# KiCad board frontpanel_dev_adapter.kicad_pcb
title: FFC adapter board; date: 2020-12-16; rev: r0.1; company: MaJo
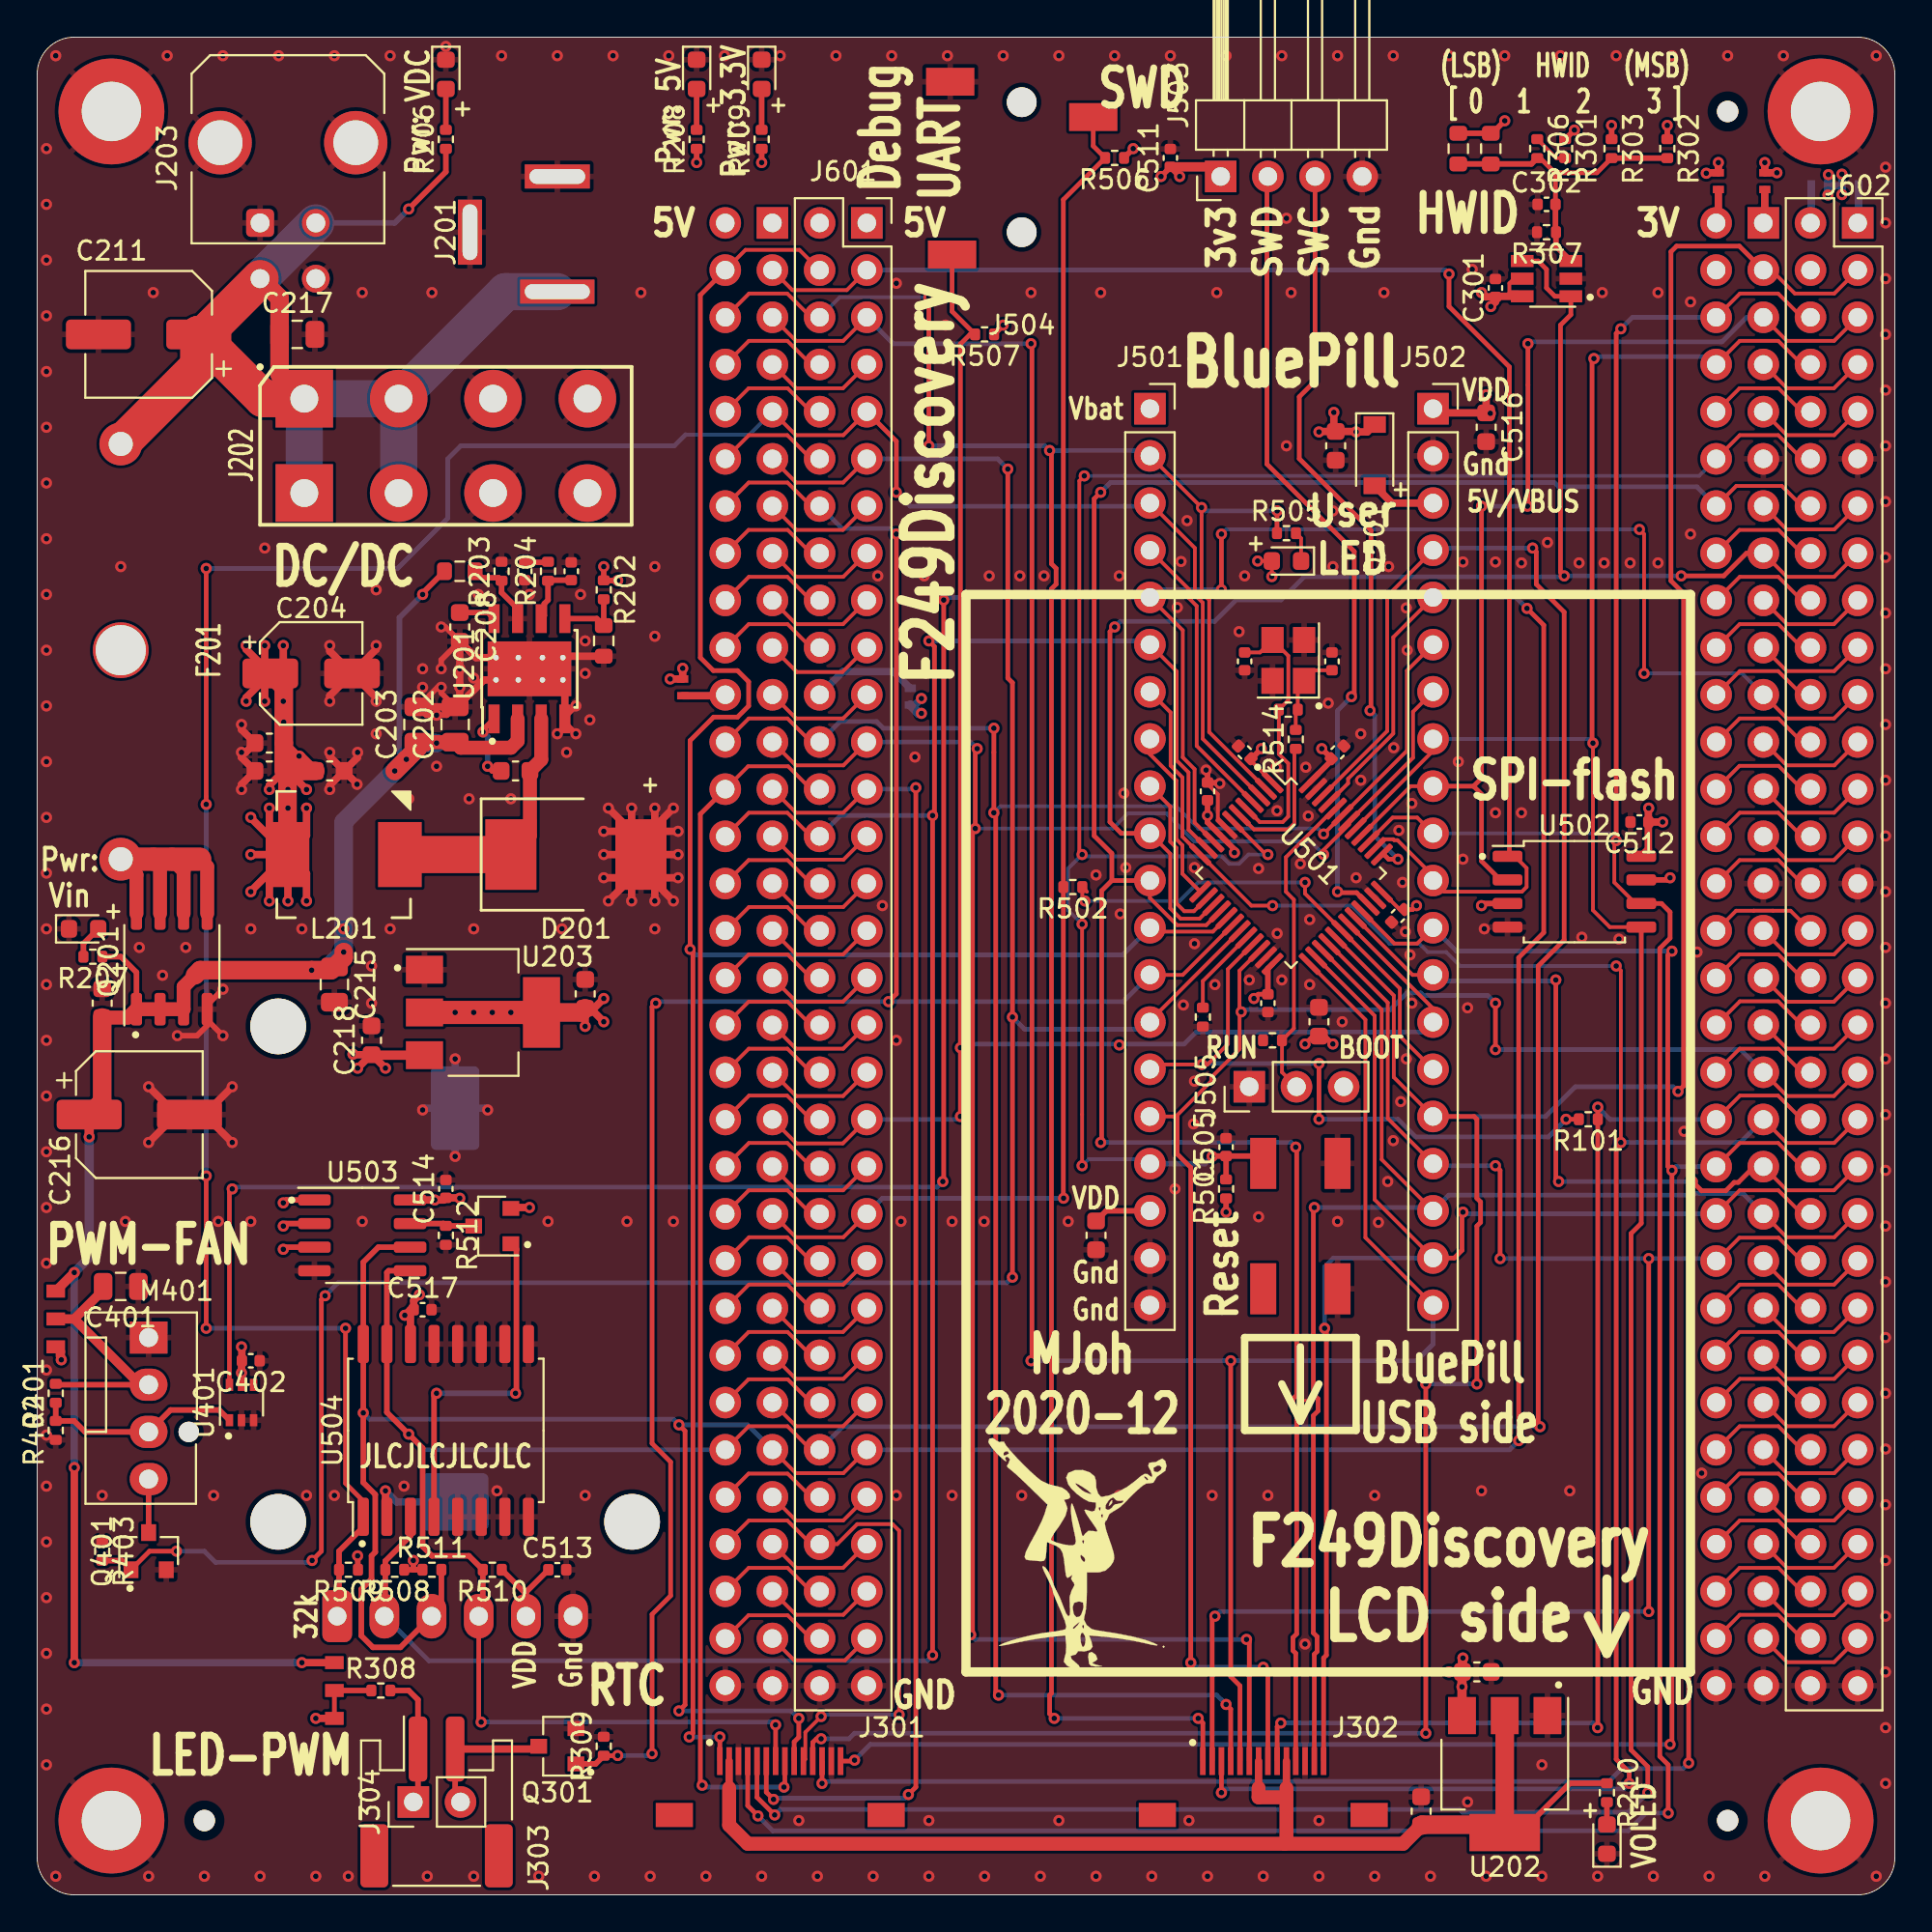
[diagram p0: board, top side]
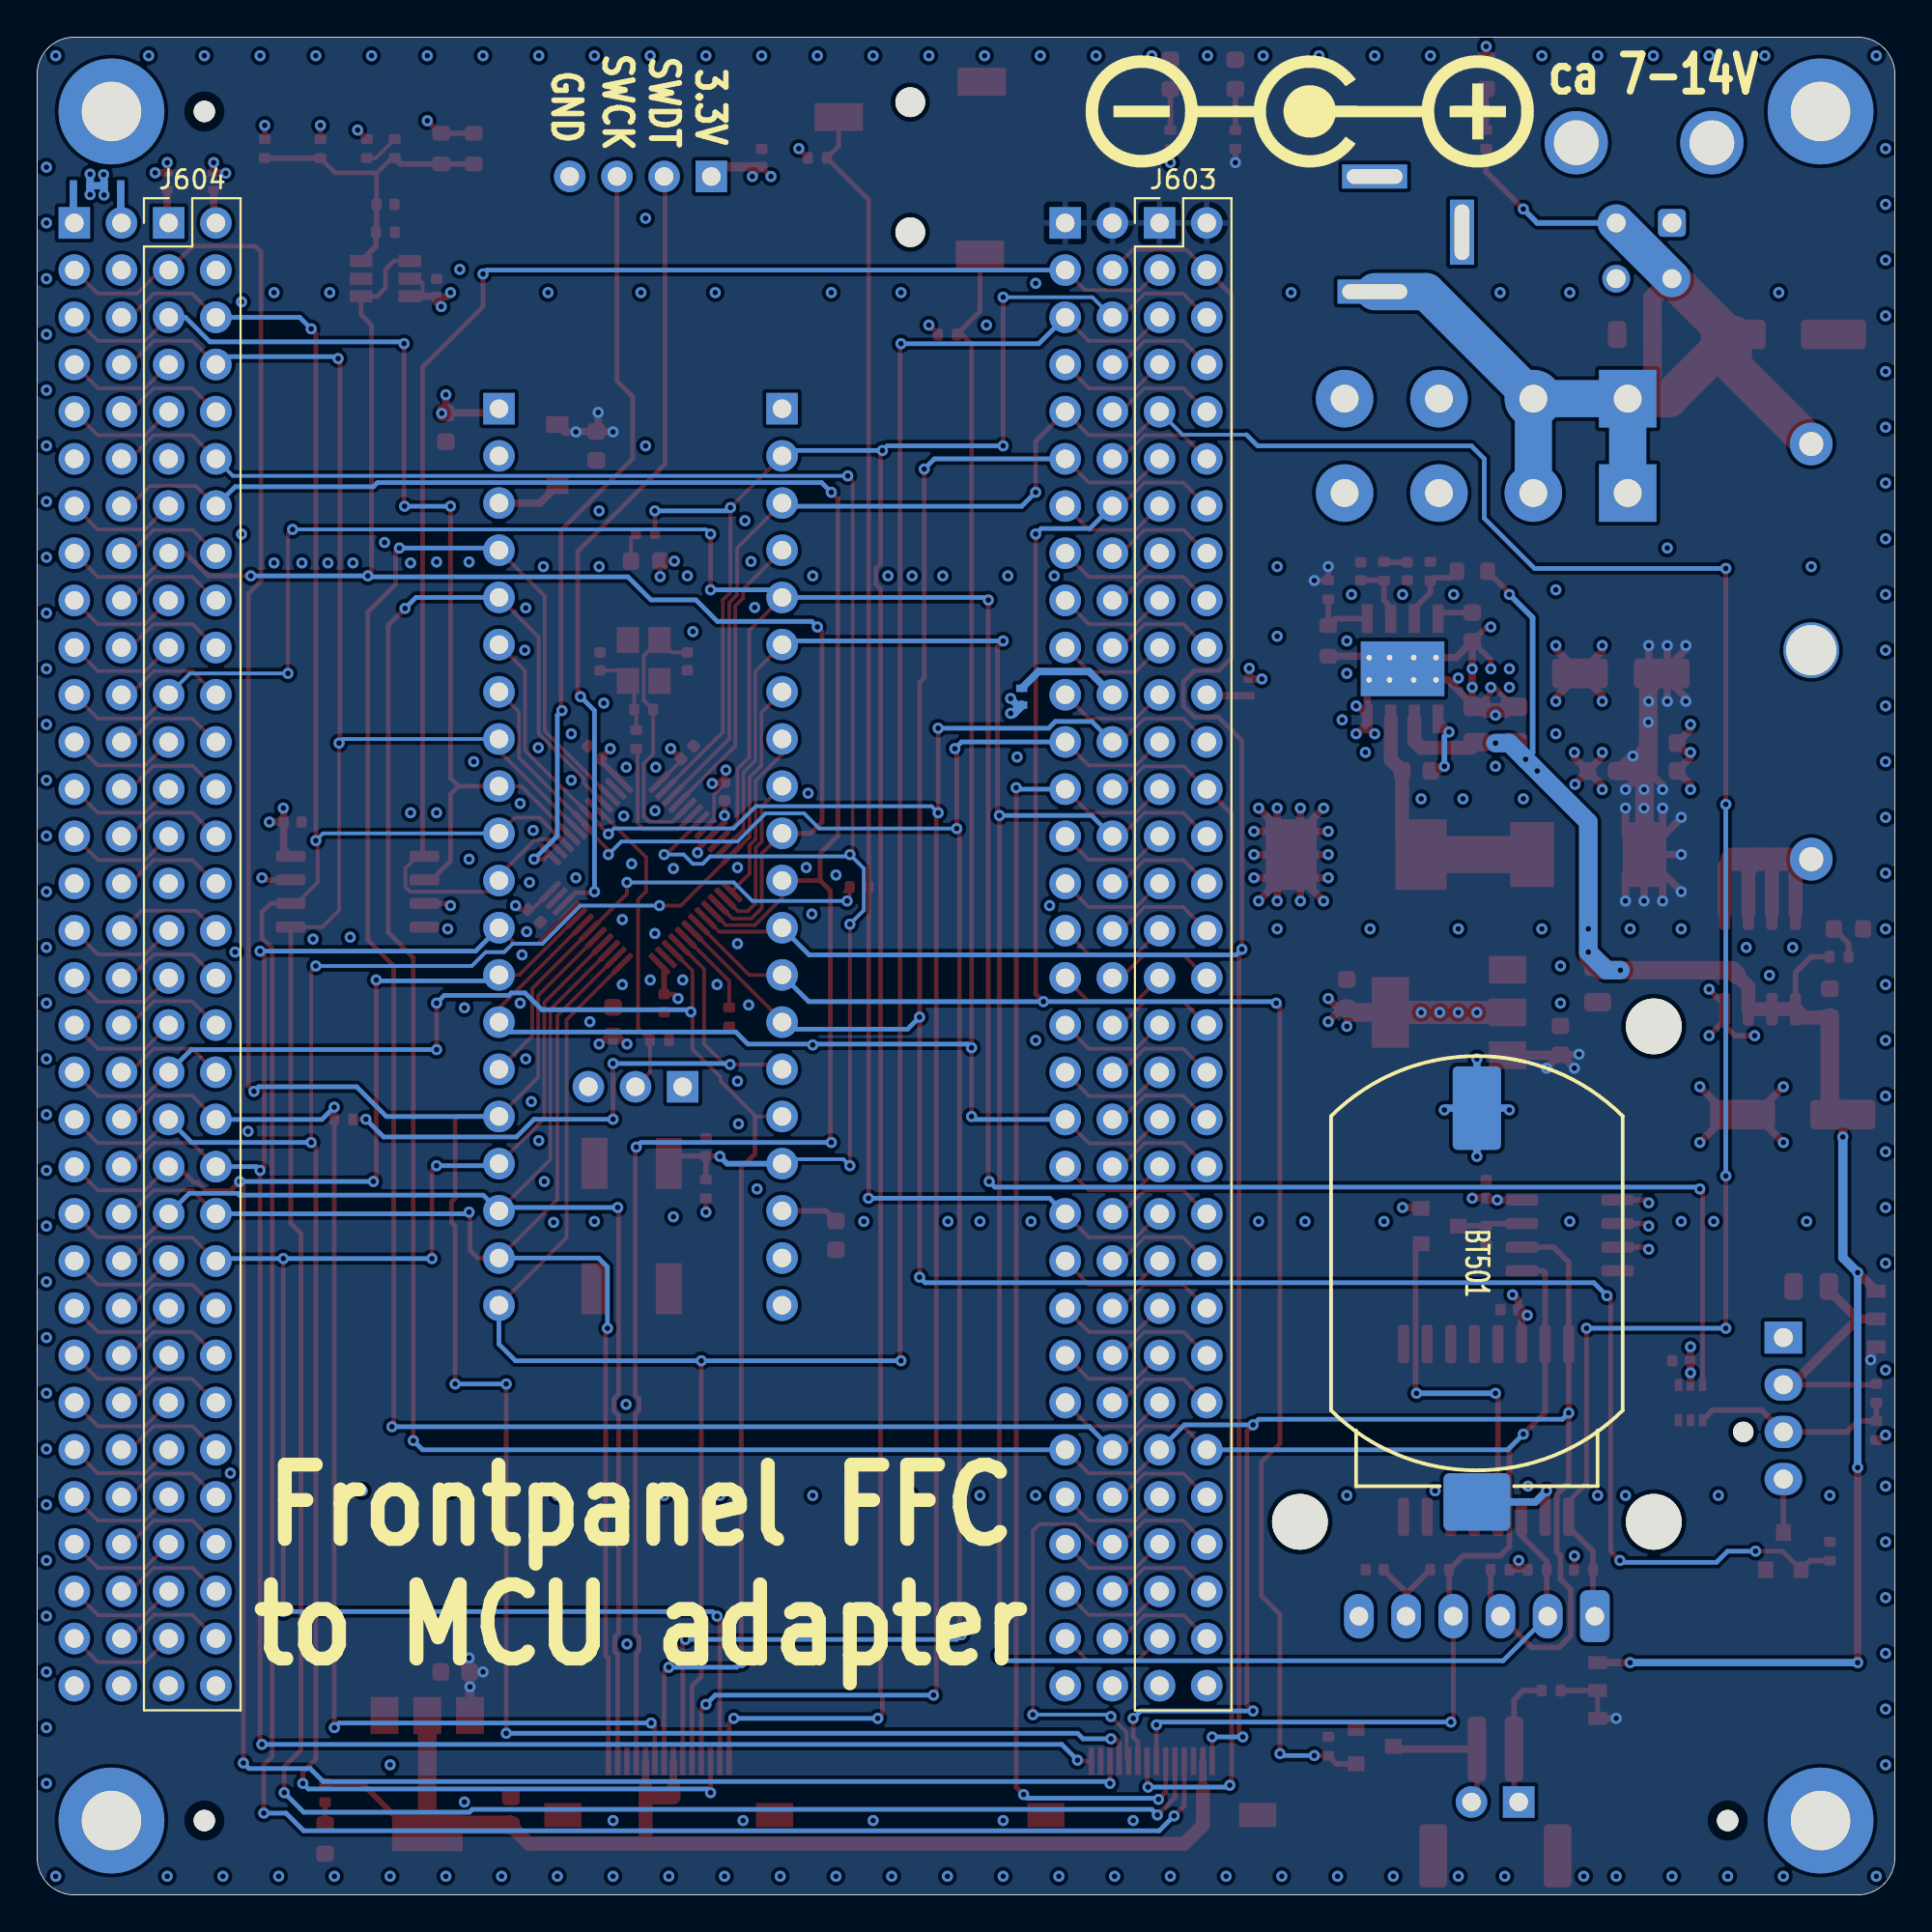
[diagram p1: board, bottom side, seen from below]

Outline 100 x 100 mm; copper layers: Top, In1.Cu, In2.Cu, Bottom. Coordinates in mm from the lower left corner of the outline.
Outline path: 0,98 arc(0.59,99.41) 2,100 98,100 arc(99.41,99.41) 100,98 100,2 arc(99.41,0.59) 98,0 2,0 arc(0.59,0.59) 0,2 0,98

## Placement (name value [footprint] x y rotation side)
BT501  CR2032_Backup  [CR2032_coincell_holder]  22.5 34 270 bottom
C201  100n  [C_0603_1608Metric]  25.75 60.5 180 top
C202  10u/16V  [C_0805_2012Metric]  22.5 63 90 top
C203  10u/16V  [C_0805_2012Metric]  20.5 63 90 top
C204  APXG160ARA101ME61G  [CP_Elec_5x5.8]  14.75 65.75 0 top
C205  10u/10V  [C_0603_1608Metric]  15.75 60.5 0 top
C206  10u/10V  [C_0603_1608Metric]  12.5 62 180 top
C207  10u/10V  [C_0603_1608Metric]  12.5 60.5 180 top
C208  15n  [C_0603_1608Metric]  22.75 68.25 270 top
C209  10pF  [C_0402_1005Metric]  28.75 71.25 90 top
C210  3n3  [C_0402_1005Metric]  26.25 71.25 270 top
C211  UCL1V470MCL1GS  [CP_Elec_6.3x5.8]  6 84 180 top
C212  10u/10V  [C_0603_1608Metric]  77.5 12 0 top
C213  10u  [C_0603_1608Metric]  74.5 4.5 90 top
C214  100n  [C_0603_1608Metric]  3.5 48 90 top
C215  10u/16V  [C_0805_2012Metric]  16 49 270 top
C216  UCL1V470MCL1GS  [CP_Elec_6.3x5.8]  5.5 42 0 top
C217  10u/16V  [C_0805_2012Metric]  14 84 0 top
C218  10u/10V  [C_0603_1608Metric]  18 46 90 top
C219  10u  [C_0603_1608Metric]  29.5 48.5 90 top
C301  100n  [C_0402_1005Metric]  78.5 86.5 90 top
C302  100n  [C_0402_1005Metric]  81.25 91 0 top
C401  10u/16V  [C_0805_2012Metric]  4.5 32.75 180 top
C402  100n  [C_0402_1005Metric]  11.5 28.75 180 top
C501  100n  [C_0402_1005Metric]  65 61.5 135 top
C502  100n  [C_0402_1005Metric]  63 59.4 90 top
C503  100n  [C_0402_1005Metric]  66.25 48 270 top
C504  100n  [C_0402_1005Metric]  73.25 52.7 225 top
C505  100n  [C_0402_1005Metric]  64 40.25 90 top
C506  10p  [C_0402_1005Metric]  65 66.4 270 top
C507  10u  [C_0603_1608Metric]  69 47 90 top
C508  10p  [C_0402_1005Metric]  69.7 66.4 90 top
C509  10u  [C_0603_1608Metric]  57 35.5 270 top
C510  10u  [C_0603_1608Metric]  69.9 78 270 top
C511  100n  [C_0402_1005Metric]  61 93.5 90 top
C512  100n  [C_0402_1005Metric]  86.25 57.75 180 top
C513  100n  [C_0402_1005Metric]  28 17.5 0 top
C514  100n  [C_0402_1005Metric]  22 38 90 top
C515  100n  [C_0402_1005Metric]  70 61.5 45 top
C516  10u  [C_0603_1608Metric]  78 79 270 top
C517  100n  [C_0402_1005Metric]  20.75 31.5 0 top
D201  MBRS340T3G  [MBRS3xx_SMC_CASE_403AC]  29 56 0 top
D202  Yellow  [LED_0603_1608Metric]  22 98 270 top
D203  Yellow  [LED_0603_1608Metric]  2.5 52 0 top
D204  Green  [LED_0603_1608Metric]  35.5 98 270 top
D205  Green  [LED_0603_1608Metric]  39 98 270 top
D206  Green  [LED_0603_1608Metric]  84.5 3 90 top
D501  B5819W  [D_SOD-123]  72 77.5 270 top
D502  White  [LED_0603_1608Metric]  67.25 71.8 180 top
F201  Fuse_12V_5A  [Fuseholder_5x20mm_Schurter_OGN-0031.8201]  4.5 67 270 top
H101  MountingHole_Pad  [MountingHole_3.2mm_M3_ISO7380_Pad]  4 96 0 top
H102  MountingHole_Pad  [MountingHole_3.2mm_M3_ISO7380_Pad]  96 96 0 top
H103  MountingHole_Pad  [MountingHole_3.2mm_M3_ISO7380_Pad]  4 4 0 top
H104  MountingHole_Pad  [MountingHole_3.2mm_M3_ISO7380_Pad]  96 4 0 top
J201  -  [KLD-0202-A]  28 92.5 270 top
J202  Conn_WR-FAST_01x04  [WR-FAST_508_4_V]  22 78 0 top
J203  Molex_MicroFit_30-43045-0421  [Molex_Micro-Fit_3.0_43045-0421_2x02-1MP_P3.00mm_Horizontal]  12 90 0 top
J301  FFC_conn_14p  [FPC_14p_05mm-Molex_5052781433]  40 7 0 top
J302  FFC_conn_14p  [FPC_14p_05mm-Molex_5052781433]  66 7 0 top
J303  JST_S2B-PH-SM4-TB  [JST_PH_S2B-PH-SM4-TB_1x02-1MP_P2.00mm_Horizontal]  21.5 5 0 top
J304  Conn_01x02  [PinHeader_1x02_P2.54mm_Vertical]  20.25 5 90 top
J501  Conn_01x20  [PinSocket_1x20_P2.54mm_Vertical]  59.9 80 0 top
J502  Conn_01x20  [PinSocket_1x20_P2.54mm_Vertical]  75.14 80 0 top
J503  SWD  [PinHeader_1x04_P2.54mm_Horizontal]  63.71 92.5 90 top
J504  STX-3501-3N_(TTL-232R-xV-AJ)  [STX3501_smd]  53 96.5 0 top
J505  Conn_01x03  [PinHeader_1x03_P2.54mm_Vertical]  65.25 43.5 90 top
J601  Conn_02x32_Odd_Even  [PinSocket_2x32_P2.54mm_Vertical]  44.66 90 0 top
J602  Conn_02x32_Odd_Even  [PinSocket_2x32_P2.54mm_Vertical]  98 90 0 top
J603  Conn_02x32_Odd_Even  [PinHeader_2x32_P2.54mm_Vertical]  39.58 90 180 bottom
J604  Conn_02x32_Odd_Even  [PinHeader_2x32_P2.54mm_Vertical]  92.92 90 180 bottom
JP301  dogbone_3_ud  [db3_ud_0603]  16 11 90 top
JP401  dogbone_3_ud  [db3_ud_0603]  1 31 90 top
JP601  dogbone_2_ud  [db2_ud_0402]  97.6 92 0 bottom
JP602  dogbone_2_ud  [db2_ud_0402]  95.95 92 0 bottom
JP603  dogbone_2_ud  [db2_ud_0402]  47 64.5 270 bottom
JP604  dogbone_2_ud  [db2_ud_0402]  93 92.25 270 top
JP605  dogbone_2_ud  [db2_ud_0402]  90.5 92.25 90 top
JP606  dogbone_2_ud  [db2_ud_0402]  34.75 65 90 top
L201  ASPI-0630LR-3R3M-T15  [ASPI-0603LR]  16.5 56 180 top
Logo101  Logo_MJ  [MJ_10.3x12.7]  56 18.5 0 top
M101  JLC_tooling_hole  [JLC_tooling-hole]  9 4 0 top
M102  JLC_tooling_hole  [JLC_tooling-hole]  91 4 0 top
M103  JLC_tooling_hole  [JLC_tooling-hole]  91 96 0 top
M401  Fan_4pin  [FanPinHeader_1x04_P2.54mm_Vertical]  6 30 270 top
Q201  AO4407A  [SOIC-8_3.9x4.9mm_P1.27mm]  7.25 50.25 90 top
Q301  AO3400A  [SOT-23]  28 8 180 top
Q401  AO3400A  [SOT-23]  6 18.5 90 top
Q501  AO3401A  [SOT-23]  24.5 36 180 top
R101  100R  [R_0402_1005Metric]  83.5 41.75 180 top
R201  390k  [R_0603_1608Metric]  22.75 71.25 0 top
R202  10k  [R_0402_1005Metric]  30.5 70.25 270 top
R203  68k  [R_0402_1005Metric]  25 71.25 90 top
R204  10k  [R_0402_1005Metric]  27.5 71.25 90 top
R205  1k8  [R_0603_1608Metric]  30.5 67.5 270 top
R206  10k  [R_0402_1005Metric]  22 94.5 90 top
R207  10k  [R_0402_1005Metric]  3 50.5 180 top
R208  2k2  [R_0402_1005Metric]  35.5 94.5 90 top
R209  1k  [R_0402_1005Metric]  39 94.5 90 top
R210  1k  [R_0402_1005Metric]  84.5 5.5 270 top
R301  20k  [R_0402_1005Metric]  82.25 94 270 top
R302  10k  [R_0402_1005Metric]  87.75 94 270 top
R303  20k  [R_0402_1005Metric]  84.75 94 270 top
R304  160k  [R_0603_1608Metric]  78.25 94 270 top
R305  160k  [R_0603_1608Metric]  76.5 94 270 top
R306  20k  [R_0402_1005Metric]  80.75 94 270 top
R307  27k  [R_0402_1005Metric]  81.25 89.5 180 top
R308  0R  [R_0402_1005Metric]  18.5 11 0 top
R309  10k  [R_0402_1005Metric]  30.5 8 90 top
R401  12k  [R_0402_1005Metric]  1 27 90 top
R402  10k  [R_0402_1005Metric]  1 25 90 top
R403  10k  [R_0402_1005Metric]  3.5 18.5 270 top
R501  10k  [R_0402_1005Metric]  64 38 90 top
R502  100R  [R_0402_1005Metric]  55.75 54.25 180 top
R503  1M  [R_0402_1005Metric]  67.35 63.8 0 top
R504  10k  [R_0402_1005Metric]  62.75 47.25 270 top
R505  100R  [R_0402_1005Metric]  67.25 73.3 0 top
R506  10k  [R_0402_1005Metric]  58 93.5 180 top
R507  10k  [R_0402_1005Metric]  51 84 180 top
R508  10k  [R_0402_1005Metric]  19.25 17.5 180 top
R509  10k  [R_0402_1005Metric]  16.76 17.5 180 top
R510  2k2  [R_0402_1005Metric]  24.5 17.5 180 top
R511  2k2  [R_0402_1005Metric]  21.25 17.5 0 top
R512  10k  [R_0402_1005Metric]  22 35.5 270 top
R513  10k  [R_0402_1005Metric]  66.5 46 0 top
R514  47R  [R_0402_1005Metric]  67.75 62.2 90 top
REF**  -  [Polarity_Center_Positive_6mm_SilkScreen]  31.5 96 180 bottom
RTC501  DS3231_Module_6pins  [DS3231_module_6pin_horizontal_mnt]  22.5 15 90 top
SW501  SKHUxxE010  [SKHU]  68 36 90 top
U201  TPS54332DDA  [TI_SO-PowerPAD-8_ThermalVias]  26.5 66 90 top
U202  TLV1117LV30DCY  [SOT-223-3_TabPin2]  79 6.5 270 top
U203  TLV1117LV30DCY  [SOT-223-3_TabPin2]  24 47.5 0 top
U301  TLV9051SIDBV  [TSOT-23-6]  81.25 87 180 top
U401  74LVC2G17gw  [SOT-363_SC-70-6]  11 26.5 90 top
U501  STM32F103CBTx  [LQFP-48_7x7mm_P0.5mm]  67.5 55 315 top
U502  W25Q128JVSIQ  [SOIC-8_5.23x5.23mm_P1.27mm]  82.75 54 0 top
U503  AT24C256C-SSHL  [SO-8_3.9x4.9mm_P1.27mm]  17.5 35.5 0 top
U504  DS3231M  [SOIC-16W_7.5x10.3mm_P1.27mm]  22 25 90 top
Y501  16MHz  [Crystal_SMD_3225-4Pin_3.2x2.5mm]  67.35 66.45 90 top

## Library data of the parts
BT501 = -: Field4: https://lcsc.com/product-detail/Battery-Holders-Clips-Contacts_CR2032battery-Gold-plated-patch-horizontal-base_C70378.html; Field5: http://www.mouser.com/access/?pn=122-1020-GR
C201 C214 = -: LCSC: C14663
C202 C203 C215 C217 C401 = -: LCSC: C15850
C205-C207 C212 C213 C218 C219 C507 C509 C510 C516 = -: LCSC: C19702
C208 = -: LCSC: C1596
C209 C506 C508 = -: LCSC: C32949
C210 = -: LCSC: C26404
C301 C302 C402 C501-C505 C511-C515 C517 = -: LCSC: C1525
D201 = -: LCSC: C40326
D202 D203 = -: LCSC: C72038
D204-D206 = -: LCSC: C72043
D501 = -: LCSC: C8598
D502 = -: LCSC: C2290
Q201 = -: LCSC: C16072
Q301 Q401 = -: LCSC: C20917
Q501 = -: LCSC: C15127
R101 R502 R505 = -: LCSC: C25076
R201 = -: LCSC: C23150
R202 R204 R206 R207 R302 R309 R402 R403 R501 R504 R506 R508 R509 R512 R513 = -: LCSC: C25744
R203 = -: LCSC: C36871
R205 = -: LCSC: C4177
R208 R510 R511 = -: LCSC: C25879
R209 R210 = -: LCSC: C11702
R301 R303 R306 = -: LCSC: C25765
R304 R305 = -: LCSC: C22813
R307 = -: LCSC: C25771
R308 = -: LCSC: C17168
R401 = -: LCSC: C25752
R503 = -: LCSC: C26083
R507 = -: Field4: C25744
R514 = -: LCSC: C25118
U201 = -: LCSC: C41312
U202 U203 = -: LCSC: C15578
U401 = -: LCSC (DNM): C80500
U501 = -: LCSC: C8304
U502 = -: LCSC: C97521
U503 = -: LCSC: C6482
U504 = -: LCSC: C37663
Y501 = -: LCSC: C13738

## Footprints (pads in the part's own frame, mm; a bottom-side part is the same pattern mirrored in y, then rotated)
ASPI-0603LR
  rect 2.35x3.5 smd: 1(-3.025,0) 2(3.025,0)
C_0402_1005Metric
  rrect 0.56x0.62 smd: 1(-0.48,0) 2(0.48,0)
C_0603_1608Metric
  rrect 0.9x0.95 smd: 1(-0.775,0) 2(0.775,0)
C_0805_2012Metric
  rrect 1x1.45 smd: 1(-0.95,0) 2(0.95,0)
CP_Elec_5x5.8
  rrect 3x1.6 smd: 1(-2.2,0) 2(2.2,0)
CP_Elec_6.3x5.8
  rrect 3.5x1.6 smd: 1(-2.7,0) 2(2.7,0)
CR2032_coincell_holder
  rrect 3.1x3.6 smd: 1(12.85,0)
  rrect 4.5x2.6 smd: 2(-8.35,0)
Crystal_SMD_3225-4Pin_3.2x2.5mm
  rect 1.4x1.2 smd: 1(-1.1,-0.85) 2(1.1,-0.85) 3(1.1,0.85) 4(-1.1,0.85)
D_SOD-123
  rect 0.9x1.2 smd: 1(-1.65,0) 2(1.65,0)
db2_ud_0402
  rect 0.4x0.6 smd: 1(-0.45,0) 2(0.45,0)
db3_ud_0603
  rect 0.7x1 smd: 1(-1.5,0) 2(0,0) 3(1.5,0)
DS3231_module_6pin_horizontal_mnt
  round 3 hole 3 unplated: (5.08,9.525) (5.08,-9.525) (31.75,9.525)
  rrect 2.8x1.6 hole 1: 1(0,6.35)
  oval 2.4x1.6 hole 1: 2(0,3.81) 3(0,1.27) 4(0,-1.27) 5(0,-3.81) 6(0,-6.35)
FanPinHeader_1x04_P2.54mm_Vertical
  round 1.1 hole 1.1 unplated: (5.08,2.16)
  rect 1.73x2.03 hole 1.02: 1(0,0)
  oval 1.73x2.03 hole 1.02: 2(2.54,0) 3(5.08,0) 4(7.62,0)
FPC_14p_05mm-Molex_5052781433
  rect 0.3x1.5 smd: 1(-3.25,0.2) 2(-2.75,0.2) 3(-2.25,0.2) 4(-1.75,0.2) 5(-1.25,0.2) 6(-0.75,0.2) 7(-0.25,0.2) 8(0.25,0.2) 9(0.75,0.2) 10(1.25,0.2) 11(1.75,0.2) 12(2.25,0.2) 13(2.75,0.2) 14(3.25,0.2)
  rect 2x1.3 smd: 15(-5.7,-2.7) 16(5.7,-2.7)
Fuseholder_5x20mm_Schurter_OGN-0031.8201
  round 3 hole 2.7 unplated: (0,0)
  round 2.3 hole 1.3: 1(-11.1,0) 2(11.25,0)
JLC_tooling-hole
  round 1.152 hole 1.152 unplated: (0,0)
JST_PH_S2B-PH-SM4-TB_1x02-1MP_P2.00mm_Horizontal
  rrect 1x3.5 smd: 1(-1,2.85) 2(1,2.85)
  rrect 1.5x3.4 smd: MP(-3.35,-2.9) MP(3.35,-2.9)
KLD-0202-A
  rect 1.3x4 hole 0.8x3.5: 1(6.2,0)
  rect 1.3x3.5 hole 0.8x3: 2(0,0)
  rect 3.5x1.3 hole 3x0.8: 3(3,-4.7)
LED_0603_1608Metric
  rrect 0.875x0.95 smd: 1(-0.787,0) 2(0.787,0)
LQFP-48_7x7mm_P0.5mm
  rrect 1.475x0.3 smd: 1(-4.162,2.75) 2(-4.162,2.25) 3(-4.162,1.75) 4(-4.162,1.25) 5(-4.162,0.75) 6(-4.162,0.25) 7(-4.162,-0.25) 8(-4.162,-0.75) 9(-4.162,-1.25) 10(-4.162,-1.75) 11(-4.162,-2.25) 12(-4.162,-2.75) 25(4.162,-2.75) 26(4.162,-2.25) 27(4.162,-1.75) 28(4.162,-1.25) 29(4.162,-0.75) 30(4.162,-0.25) 31(4.162,0.25) 32(4.162,0.75) 33(4.162,1.25) 34(4.162,1.75) 35(4.162,2.25) 36(4.162,2.75)
  rrect 0.3x1.475 smd: 13(-2.75,-4.162) 14(-2.25,-4.162) 15(-1.75,-4.162) 16(-1.25,-4.162) 17(-0.75,-4.162) 18(-0.25,-4.162) 19(0.25,-4.162) 20(0.75,-4.162) 21(1.25,-4.162) 22(1.75,-4.162) 23(2.25,-4.162) 24(2.75,-4.162) 37(2.75,4.162) 38(2.25,4.162) 39(1.75,4.162) 40(1.25,4.162) 41(0.75,4.162) 42(0.25,4.162) 43(-0.25,4.162) 44(-0.75,4.162) 45(-1.25,4.162) 46(-1.75,4.162) 47(-2.25,4.162) 48(-2.75,4.162)
MBRS3xx_SMC_CASE_403AC
  rect 2.75x3.8 smd: 1(-3.5,0) 2(3.5,0)
Molex_Micro-Fit_3.0_43045-0421_2x02-1MP_P3.00mm_Horizontal
  rrect 1.5x1.5 hole 1.02: 1(0,0)
  round 1.5 hole 1.02: 2(3,0) 3(0,-3) 4(3,-3)
  round 3.41 hole 2.41: MP(-2.15,4.32) MP(5.15,4.32)
MountingHole_3.2mm_M3_ISO7380_Pad
  round 5.7 hole 3.2: 1(0,0)
PinHeader_1x02_P2.54mm_Vertical
  rect 1.7x1.7 hole 1: 1(0,0)
  oval 1.7x1.7 hole 1: 2(0,-2.54)
PinHeader_1x03_P2.54mm_Vertical
  rect 1.7x1.7 hole 1: 1(0,0)
  oval 1.7x1.7 hole 1: 2(0,-2.54) 3(0,-5.08)
PinHeader_1x04_P2.54mm_Horizontal
  rect 1.7x1.7 hole 1: 1(0,0)
  oval 1.7x1.7 hole 1: 2(0,-2.54) 3(0,-5.08) 4(0,-7.62)
PinHeader_2x32_P2.54mm_Vertical
  rect 1.7x1.7 hole 1: 1(0,0)
  oval 1.7x1.7 hole 1: 2(2.54,0) 3(0,-2.54) 4(2.54,-2.54) 5(0,-5.08) 6(2.54,-5.08) 7(0,-7.62) 8(2.54,-7.62) 9(0,-10.16) 10(2.54,-10.16) 11(0,-12.7) 12(2.54,-12.7) 13(0,-15.24) 14(2.54,-15.24) 15(0,-17.78) 16(2.54,-17.78) 17(0,-20.32) 18(2.54,-20.32) 19(0,-22.86) 20(2.54,-22.86) 21(0,-25.4) 22(2.54,-25.4) 23(0,-27.94) 24(2.54,-27.94) 25(0,-30.48) 26(2.54,-30.48) 27(0,-33.02) 28(2.54,-33.02) 29(0,-35.56) 30(2.54,-35.56) 31(0,-38.1) 32(2.54,-38.1) 33(0,-40.64) 34(2.54,-40.64) 35(0,-43.18) 36(2.54,-43.18) 37(0,-45.72) 38(2.54,-45.72) 39(0,-48.26) 40(2.54,-48.26) 41(0,-50.8) 42(2.54,-50.8) 43(0,-53.34) 44(2.54,-53.34) 45(0,-55.88) 46(2.54,-55.88) 47(0,-58.42) 48(2.54,-58.42) 49(0,-60.96) 50(2.54,-60.96) 51(0,-63.5) 52(2.54,-63.5) 53(0,-66.04) 54(2.54,-66.04) 55(0,-68.58) 56(2.54,-68.58) 57(0,-71.12) 58(2.54,-71.12) 59(0,-73.66) 60(2.54,-73.66) 61(0,-76.2) 62(2.54,-76.2) 63(0,-78.74) 64(2.54,-78.74)
PinSocket_1x20_P2.54mm_Vertical
  rect 1.7x1.7 hole 1: 1(0,0)
  oval 1.7x1.7 hole 1: 2(0,-2.54) 3(0,-5.08) 4(0,-7.62) 5(0,-10.16) 6(0,-12.7) 7(0,-15.24) 8(0,-17.78) 9(0,-20.32) 10(0,-22.86) 11(0,-25.4) 12(0,-27.94) 13(0,-30.48) 14(0,-33.02) 15(0,-35.56) 16(0,-38.1) 17(0,-40.64) 18(0,-43.18) 19(0,-45.72) 20(0,-48.26)
PinSocket_2x32_P2.54mm_Vertical
  rect 1.7x1.7 hole 1: 1(0,0)
  oval 1.7x1.7 hole 1: 2(-2.54,0) 3(0,-2.54) 4(-2.54,-2.54) 5(0,-5.08) 6(-2.54,-5.08) 7(0,-7.62) 8(-2.54,-7.62) 9(0,-10.16) 10(-2.54,-10.16) 11(0,-12.7) 12(-2.54,-12.7) 13(0,-15.24) 14(-2.54,-15.24) 15(0,-17.78) 16(-2.54,-17.78) 17(0,-20.32) 18(-2.54,-20.32) 19(0,-22.86) 20(-2.54,-22.86) 21(0,-25.4) 22(-2.54,-25.4) 23(0,-27.94) 24(-2.54,-27.94) 25(0,-30.48) 26(-2.54,-30.48) 27(0,-33.02) 28(-2.54,-33.02) 29(0,-35.56) 30(-2.54,-35.56) 31(0,-38.1) 32(-2.54,-38.1) 33(0,-40.64) 34(-2.54,-40.64) 35(0,-43.18) 36(-2.54,-43.18) 37(0,-45.72) 38(-2.54,-45.72) 39(0,-48.26) 40(-2.54,-48.26) 41(0,-50.8) 42(-2.54,-50.8) 43(0,-53.34) 44(-2.54,-53.34) 45(0,-55.88) 46(-2.54,-55.88) 47(0,-58.42) 48(-2.54,-58.42) 49(0,-60.96) 50(-2.54,-60.96) 51(0,-63.5) 52(-2.54,-63.5) 53(0,-66.04) 54(-2.54,-66.04) 55(0,-68.58) 56(-2.54,-68.58) 57(0,-71.12) 58(-2.54,-71.12) 59(0,-73.66) 60(-2.54,-73.66) 61(0,-76.2) 62(-2.54,-76.2) 63(0,-78.74) 64(-2.54,-78.74)
R_0402_1005Metric
  rrect 0.54x0.64 smd: 1(-0.51,0) 2(0.51,0)
R_0603_1608Metric
  rrect 0.8x0.95 smd: 1(-0.825,0) 2(0.825,0)
SKHU
  rect 2.75x1.4 smd: 1(-3.375,2) 2(3.375,2) 3(-3.375,-2) 4(3.375,-2)
SO-8_3.9x4.9mm_P1.27mm
  rrect 1.75x0.6 smd: 1(-2.575,1.905) 2(-2.575,0.635) 3(-2.575,-0.635) 4(-2.575,-1.905) 5(2.575,-1.905) 6(2.575,-0.635) 7(2.575,0.635) 8(2.575,1.905)
SOIC-8_3.9x4.9mm_P1.27mm
  rrect 1.75x0.6 smd: 1(-2.575,1.905) 2(-2.575,0.635) 3(-2.575,-0.635) 4(-2.575,-1.905) 5(2.575,-1.905) 6(2.575,-0.635) 7(2.575,0.635) 8(2.575,1.905)
SOIC-8_5.23x5.23mm_P1.27mm
  rrect 1.6x0.6 smd: 1(-3.6,1.905) 2(-3.6,0.635) 3(-3.6,-0.635) 4(-3.6,-1.905) 5(3.6,-1.905) 6(3.6,-0.635) 7(3.6,0.635) 8(3.6,1.905)
SOIC-16W_7.5x10.3mm_P1.27mm
  rrect 2.05x0.6 smd: 1(-4.65,4.445) 2(-4.65,3.175) 3(-4.65,1.905) 4(-4.65,0.635) 5(-4.65,-0.635) 6(-4.65,-1.905) 7(-4.65,-3.175) 8(-4.65,-4.445) 9(4.65,-4.445) 10(4.65,-3.175) 11(4.65,-1.905) 12(4.65,-0.635) 13(4.65,0.635) 14(4.65,1.905) 15(4.65,3.175) 16(4.65,4.445)
SOT-23
  rect 0.9x0.8 smd: 1(-1,0.95) 2(-1,-0.95) 3(1,0)
SOT-223-3_TabPin2
  rect 2x1.5 smd: 1(-3.15,2.3) 2(-3.15,0) 3(-3.15,-2.3)
  rect 2x3.8 smd: 2(3.15,0)
SOT-363_SC-70-6
  rect 0.65x0.4 smd: 1(-0.95,0.65) 2(-0.95,0) 3(-0.95,-0.65) 4(0.95,-0.65) 5(0.95,0) 6(0.95,0.65)
STX3501_smd
  round 1.6 hole 1.6 unplated: (0,0) (0,-7)
  rect 2.6x1.5 smd: 1(-3.85,1.1) 2(-3.75,-8.2) 3(3.85,-0.8)
TI_SO-PowerPAD-8_ThermalVias
  rect 1.55x0.6 smd: 1(-2.7,1.905) 2(-2.7,0.635) 3(-2.7,-0.635) 4(-2.7,-1.905) 5(2.7,-1.905) 6(2.7,-0.635) 7(2.7,0.635) 8(2.7,1.905)
  round 0.6 hole 0.3: 9(-0.6,1.8) 9(-0.6,0.6) 9(-0.6,-0.7) 9(-0.6,-1.8) 9(0.6,1.8) 9(0.6,0.6) 9(0.6,-0.7) 9(0.6,-1.8)
  rect 2.6x3.1 smd: 9(0,0)
  rect 2.95x4.5 smd: 9(0,0)
  rect 2.95x4.5 smd far side: 9(0,0)
TSOT-23-6
  rect 1.22x0.65 smd: 1(-1.31,0.95) 2(-1.31,0) 3(-1.31,-0.95) 4(1.31,-0.95) 5(1.31,0) 6(1.31,0.95)
WR-FAST_508_4_V
  rect 3.1x3.1 hole 1.5: 1(-7.62,2.54) 1(-7.62,-2.54)
  round 3.1 hole 1.5: 2(-2.54,2.54) 2(-2.54,-2.54) 3(2.54,2.54) 3(2.54,-2.54) 4(7.62,2.54) 4(7.62,-2.54)
